# KiCad board beagle.kicad_pcb
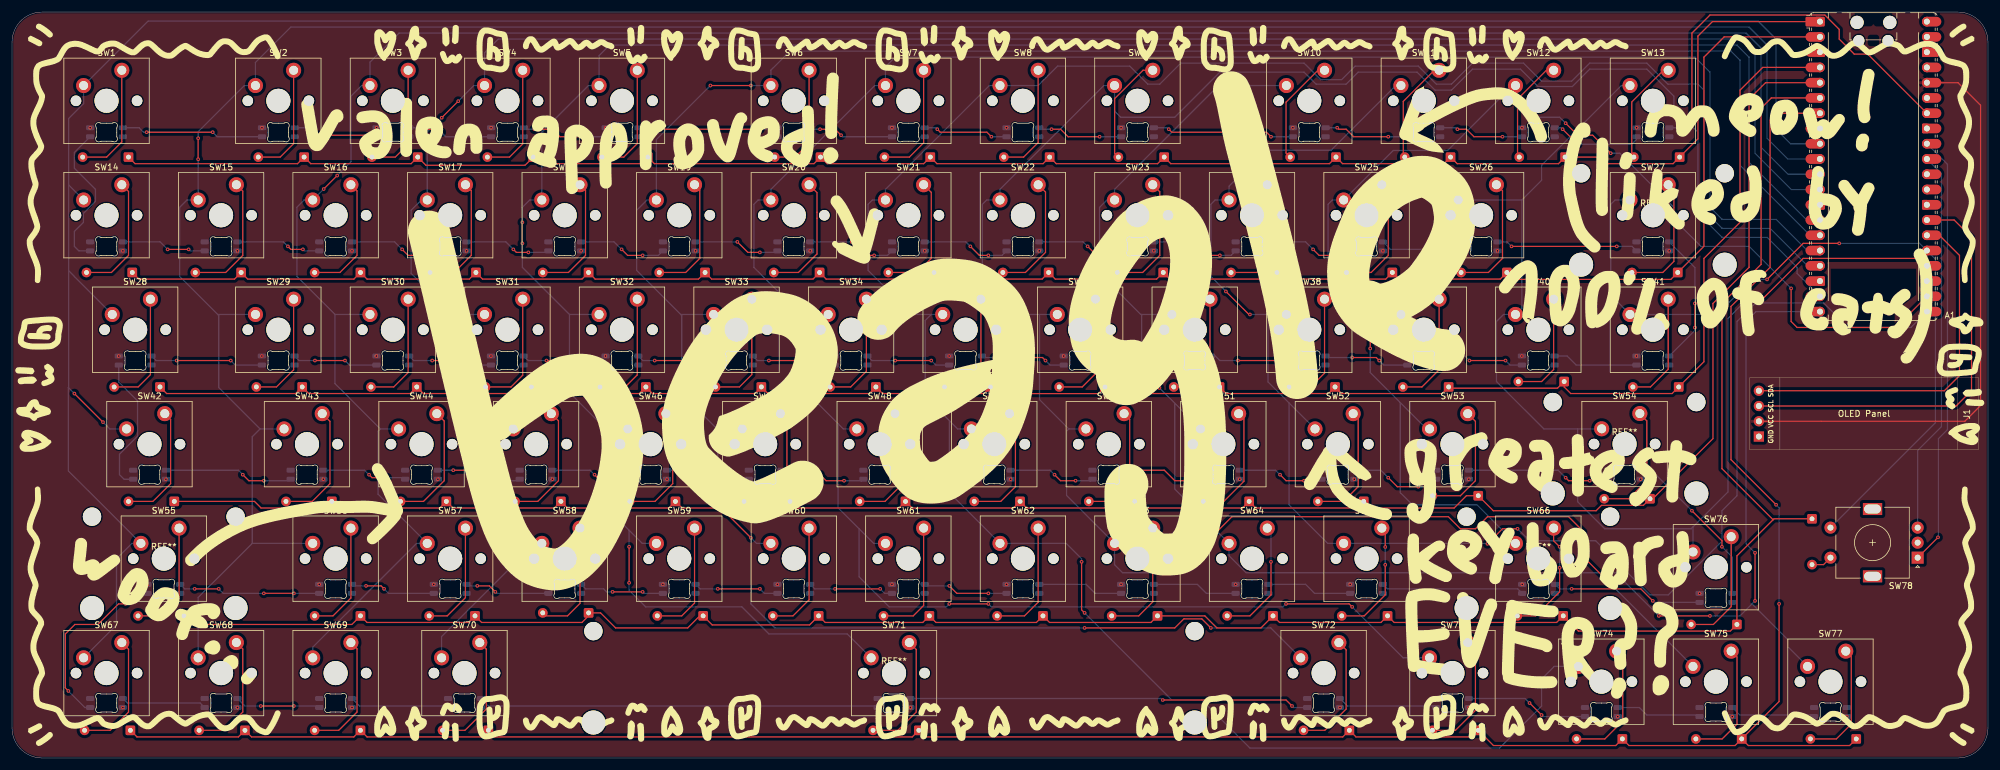
[diagram p0: board, top side]
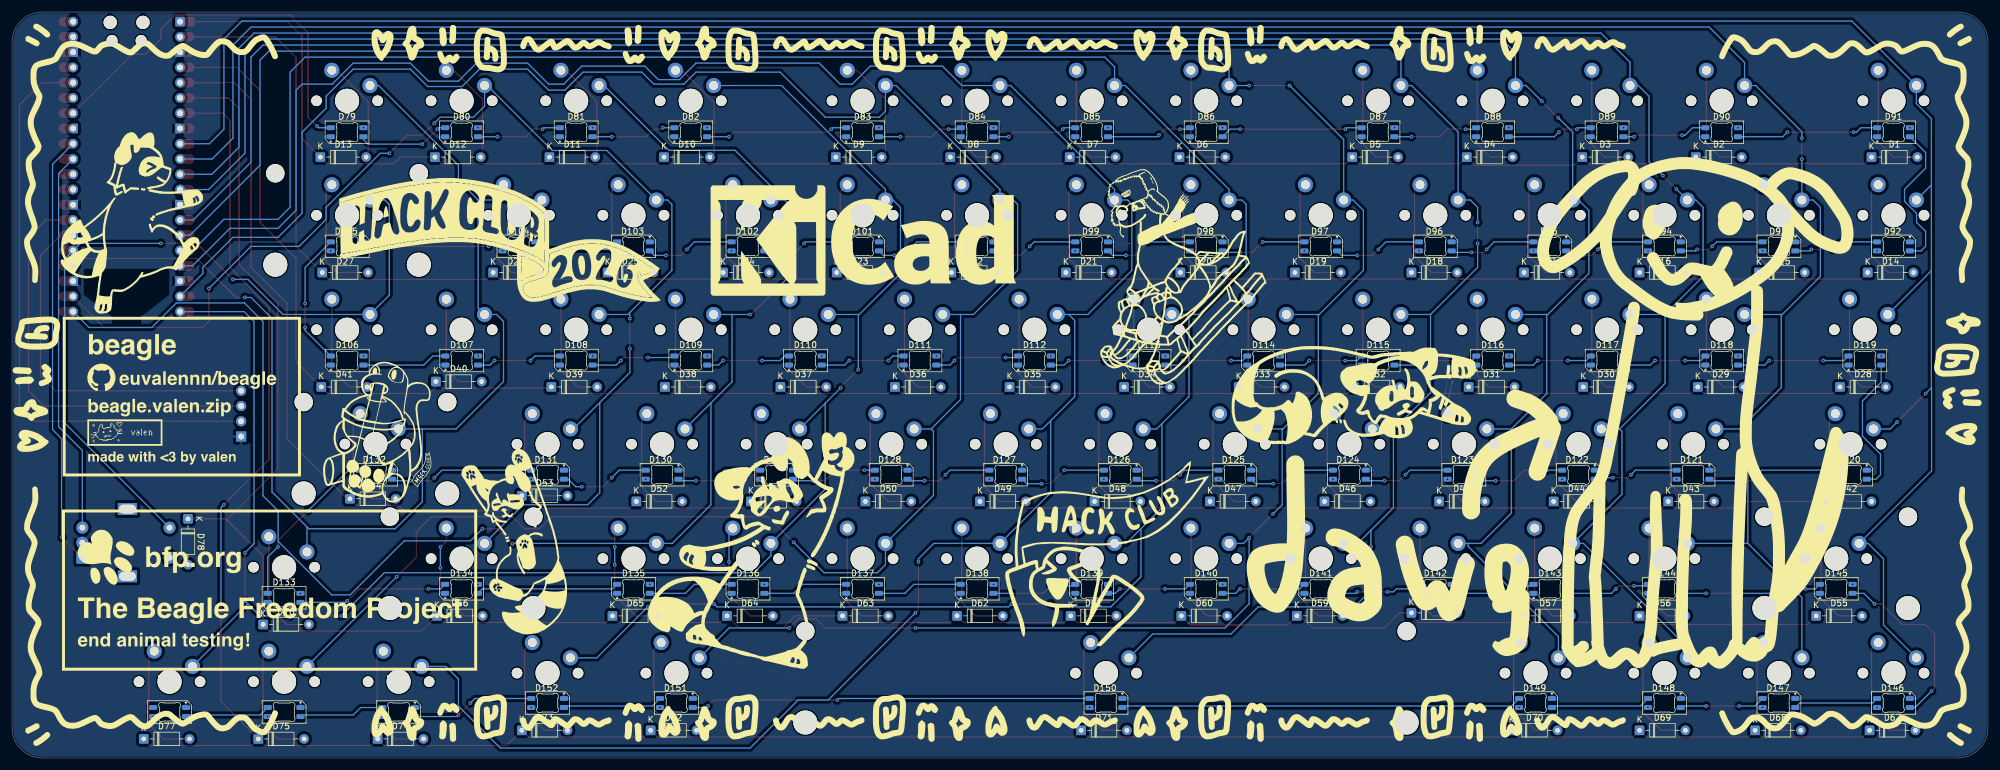
[diagram p1: board, bottom side, seen from below]

Outline 328.61 x 124.15 mm; copper layers: Top, Bottom. Coordinates in mm from the lower left corner of the outline.
Outline path: 0,119.15 arc(1.46,122.69) 5,124.15 323.61,124.15 arc(327.15,122.69) 328.61,119.15 328.61,5 arc(327.15,1.46) 323.61,0 5,0 arc(1.46,1.46) 0,5 0,119.15
Stack: Top 0.035mm / dielectric 1.51mm FR4 er 4.5 / Bottom 0.035mm

## Placement (name value [footprint] x y rotation side)
A1  RaspberryPi_Pico  [RaspberryPi_Pico_Common_Unspecified]  309.56 98.43 0 top
D1  Diode  [D_DO-35_SOD27_P7.62mm_Horizontal]  19.37 100.01 180 bottom
D2  Diode  [D_DO-35_SOD27_P7.62mm_Horizontal]  48.58 100.01 180 bottom
D3  Diode  [D_DO-35_SOD27_P7.62mm_Horizontal]  67.47 100.01 180 bottom
D4  Diode  [D_DO-35_SOD27_P7.62mm_Horizontal]  86.68 100.01 180 bottom
D5  Diode  [D_DO-35_SOD27_P7.62mm_Horizontal]  105.73 100.01 180 bottom
D6  Diode  [D_DO-35_SOD27_P7.62mm_Horizontal]  134.46 100.01 180 bottom
D7  Diode  [D_DO-35_SOD27_P7.62mm_Horizontal]  152.72 100.01 180 bottom
D8  Diode  [D_DO-35_SOD27_P7.62mm_Horizontal]  172.56 100.01 180 bottom
D9  Diode  [D_DO-35_SOD27_P7.62mm_Horizontal]  191.61 100.01 180 bottom
D10  Diode  [D_DO-35_SOD27_P7.62mm_Horizontal]  220.19 100.01 180 bottom
D11  Diode  [D_DO-35_SOD27_P7.62mm_Horizontal]  239.24 100.01 180 bottom
D12  Diode  [D_DO-35_SOD27_P7.62mm_Horizontal]  258.29 100.01 180 bottom
D13  Diode  [D_DO-35_SOD27_P7.62mm_Horizontal]  277.34 100.01 180 bottom
D14  Diode  [D_DO-35_SOD27_P7.62mm_Horizontal]  20 80.8 180 bottom
D15  Diode  [D_DO-35_SOD27_P7.62mm_Horizontal]  38.1 80.8 180 bottom
D16  Diode  [D_DO-35_SOD27_P7.62mm_Horizontal]  57.94 80.8 180 bottom
D17  Diode  [D_DO-35_SOD27_P7.62mm_Horizontal]  77.15 80.8 180 bottom
D18  Diode  [D_DO-35_SOD27_P7.62mm_Horizontal]  95.88 80.8 180 bottom
D19  Diode  [D_DO-35_SOD27_P7.62mm_Horizontal]  115.25 80.8 180 bottom
D20  Diode  [D_DO-35_SOD27_P7.62mm_Horizontal]  134.3 80.8 180 bottom
D21  Diode  [D_DO-35_SOD27_P7.62mm_Horizontal]  153.35 80.8 180 bottom
D22  Diode  [D_DO-35_SOD27_P7.62mm_Horizontal]  172.4 80.8 180 bottom
D23  Diode  [D_DO-35_SOD27_P7.62mm_Horizontal]  191.45 80.8 180 bottom
D24  Diode  [D_DO-35_SOD27_P7.62mm_Horizontal]  210.34 80.8 180 bottom
D25  Diode  [D_DO-35_SOD27_P7.62mm_Horizontal]  229.55 80.8 180 bottom
D26  Diode  [D_DO-35_SOD27_P7.62mm_Horizontal]  248.6 80.8 180 bottom
D27  Diode  [D_DO-35_SOD27_P7.62mm_Horizontal]  277.02 80.8 180 bottom
D28  Diode  [D_DO-35_SOD27_P7.62mm_Horizontal]  24.61 61.75 180 bottom
D29  Diode  [D_DO-35_SOD27_P7.62mm_Horizontal]  48.26 61.75 180 bottom
D30  Diode  [D_DO-35_SOD27_P7.62mm_Horizontal]  67.31 61.75 180 bottom
D31  Diode  [D_DO-35_SOD27_P7.62mm_Horizontal]  86.36 61.75 180 bottom
D32  Diode  [D_DO-35_SOD27_P7.62mm_Horizontal]  105.41 61.75 180 bottom
D33  Diode  [D_DO-35_SOD27_P7.62mm_Horizontal]  124.62 61.75 180 bottom
D34  Diode  [D_DO-35_SOD27_P7.62mm_Horizontal]  143.67 61.75 180 bottom
D35  Diode  [D_DO-35_SOD27_P7.62mm_Horizontal]  162.72 61.75 180 bottom
D36  Diode  [D_DO-35_SOD27_P7.62mm_Horizontal]  181.77 61.75 180 bottom
D37  Diode  [D_DO-35_SOD27_P7.62mm_Horizontal]  200.82 61.75 180 bottom
D38  Diode  [D_DO-35_SOD27_P7.62mm_Horizontal]  220.03 61.75 180 bottom
D39  Diode  [D_DO-35_SOD27_P7.62mm_Horizontal]  238.92 61.75 180 bottom
D40  Diode  [D_DO-35_SOD27_P7.62mm_Horizontal]  258.13 62.65 180 bottom
D41  Diode  [D_DO-35_SOD27_P7.62mm_Horizontal]  277.18 61.75 180 bottom
D42  Diode  [D_DO-35_SOD27_P7.62mm_Horizontal]  26.99 42.7 180 bottom
D43  Diode  [D_DO-35_SOD27_P7.62mm_Horizontal]  53.18 42.7 180 bottom
D44  Diode  [D_DO-35_SOD27_P7.62mm_Horizontal]  72.23 42.7 180 bottom
D45  Diode  [D_DO-35_SOD27_P7.62mm_Horizontal]  91.28 42.7 180 bottom
D46  Diode  [D_DO-35_SOD27_P7.62mm_Horizontal]  110.33 42.7 180 bottom
D47  Diode  [D_DO-35_SOD27_P7.62mm_Horizontal]  129.38 42.7 180 bottom
D48  Diode  [D_DO-35_SOD27_P7.62mm_Horizontal]  148.59 42.7 180 bottom
D49  Diode  [D_DO-35_SOD27_P7.62mm_Horizontal]  167.64 42.7 180 bottom
D50  Diode  [D_DO-35_SOD27_P7.62mm_Horizontal]  186.69 42.7 180 bottom
D51  Diode  [D_DO-35_SOD27_P7.62mm_Horizontal]  205.74 42.7 180 bottom
D52  Diode  [D_DO-35_SOD27_P7.62mm_Horizontal]  224.79 42.7 180 bottom
D53  Diode  [D_DO-35_SOD27_P7.62mm_Horizontal]  243.84 43.65 180 bottom
D54  Diode  [D_DO-35_SOD27_P7.62mm_Horizontal]  272.42 43.15 180 bottom
D55  Diode  [D_DO-35_SOD27_P7.62mm_Horizontal]  28.58 23.65 180 bottom
D56  Diode  [D_DO-35_SOD27_P7.62mm_Horizontal]  57.94 23.65 180 bottom
D57  Diode  [D_DO-35_SOD27_P7.62mm_Horizontal]  76.99 23.65 180 bottom
D58  Diode  [D_DO-35_SOD27_P7.62mm_Horizontal]  95.88 24.15 180 bottom
D59  Diode  [D_DO-35_SOD27_P7.62mm_Horizontal]  114.94 23.65 180 bottom
D60  Diode  [D_DO-35_SOD27_P7.62mm_Horizontal]  134.14 23.65 180 bottom
D61  Diode  [D_DO-35_SOD27_P7.62mm_Horizontal]  152.56 23.65 180 bottom
D62  Diode  [D_DO-35_SOD27_P7.62mm_Horizontal]  171.45 23.65 180 bottom
D63  Diode  [D_DO-35_SOD27_P7.62mm_Horizontal]  190.5 23.65 180 bottom
D64  Diode  [D_DO-35_SOD27_P7.62mm_Horizontal]  209.71 23.65 180 bottom
D65  Diode  [D_DO-35_SOD27_P7.62mm_Horizontal]  228.76 23.65 180 bottom
D66  Diode  [D_DO-35_SOD27_P7.62mm_Horizontal]  257.97 23.65 180 bottom
D67  Diode  [D_DO-35_SOD27_P7.62mm_Horizontal]  19.69 4.6 180 bottom
D68  Diode  [D_DO-35_SOD27_P7.62mm_Horizontal]  38.73 4.6 180 bottom
D69  Diode  [D_DO-35_SOD27_P7.62mm_Horizontal]  57.94 4.6 180 bottom
D70  Diode  [D_DO-35_SOD27_P7.62mm_Horizontal]  79.22 4.6 180 bottom
D71  Diode  [D_DO-35_SOD27_P7.62mm_Horizontal]  150.81 4.6 180 bottom
D72  Diode  [D_DO-35_SOD27_P7.62mm_Horizontal]  222.41 4.6 180 bottom
D73  Diode  [D_DO-35_SOD27_P7.62mm_Horizontal]  243.84 4.6 180 bottom
D74  Diode  [D_DO-35_SOD27_P7.62mm_Horizontal]  267.81 3.18 180 bottom
D75  Diode  [D_DO-35_SOD27_P7.62mm_Horizontal]  287.65 3.18 180 bottom
D76  Diode  [D_DO-35_SOD27_P7.62mm_Horizontal]  286.86 22.22 180 bottom
D77  Diode  [D_DO-35_SOD27_P7.62mm_Horizontal]  306.7 3.18 180 bottom
D78  Diode  [D_DO-35_SOD27_P7.62mm_Horizontal]  299.35 39.81 270 bottom
D79  NEOPIXEL  [LED_SK6812MINI-E_3.2x2.8mm_P1.5mm_ReverseMount]  272.89 104.15 180 bottom
D80  NEOPIXEL  [LED_SK6812MINI-E_3.2x2.8mm_P1.5mm_ReverseMount]  253.84 104.15 180 bottom
D81  NEOPIXEL  [LED_SK6812MINI-E_3.2x2.8mm_P1.5mm_ReverseMount]  234.79 104.15 180 bottom
D82  NEOPIXEL  [LED_SK6812MINI-E_3.2x2.8mm_P1.5mm_ReverseMount]  215.74 104.15 180 bottom
D83  NEOPIXEL  [LED_SK6812MINI-E_3.2x2.8mm_P1.5mm_ReverseMount]  187.16 104.15 180 bottom
D84  NEOPIXEL  [LED_SK6812MINI-E_3.2x2.8mm_P1.5mm_ReverseMount]  168.12 104.15 180 bottom
D85  NEOPIXEL  [LED_SK6812MINI-E_3.2x2.8mm_P1.5mm_ReverseMount]  149.06 104.15 180 bottom
D86  NEOPIXEL  [LED_SK6812MINI-E_3.2x2.8mm_P1.5mm_ReverseMount]  130.01 104.15 180 bottom
D87  NEOPIXEL  [LED_SK6812MINI-E_3.2x2.8mm_P1.5mm_ReverseMount]  101.44 104.15 180 bottom
D88  NEOPIXEL  [LED_SK6812MINI-E_3.2x2.8mm_P1.5mm_ReverseMount]  82.4 104.15 180 bottom
D89  NEOPIXEL  [LED_SK6812MINI-E_3.2x2.8mm_P1.5mm_ReverseMount]  63.34 104.15 180 bottom
D90  NEOPIXEL  [LED_SK6812MINI-E_3.2x2.8mm_P1.5mm_ReverseMount]  44.3 104.15 180 bottom
D91  NEOPIXEL  [LED_SK6812MINI-E_3.2x2.8mm_P1.5mm_ReverseMount]  15.72 104.15 180 bottom
D92  NEOPIXEL  [LED_SK6812MINI-E_3.2x2.8mm_P1.5mm_ReverseMount]  15.72 85.15 0 bottom
D93  NEOPIXEL  [LED_SK6812MINI-E_3.2x2.8mm_P1.5mm_ReverseMount]  34.77 85.15 0 bottom
D94  NEOPIXEL  [LED_SK6812MINI-E_3.2x2.8mm_P1.5mm_ReverseMount]  53.82 85.15 0 bottom
D95  NEOPIXEL  [LED_SK6812MINI-E_3.2x2.8mm_P1.5mm_ReverseMount]  72.87 85.15 0 bottom
D96  NEOPIXEL  [LED_SK6812MINI-E_3.2x2.8mm_P1.5mm_ReverseMount]  91.92 85.15 0 bottom
D97  NEOPIXEL  [LED_SK6812MINI-E_3.2x2.8mm_P1.5mm_ReverseMount]  110.97 85.15 0 bottom
D98  NEOPIXEL  [LED_SK6812MINI-E_3.2x2.8mm_P1.5mm_ReverseMount]  130.02 85.15 0 bottom
D99  NEOPIXEL  [LED_SK6812MINI-E_3.2x2.8mm_P1.5mm_ReverseMount]  149.07 85.15 0 bottom
D100  NEOPIXEL  [LED_SK6812MINI-E_3.2x2.8mm_P1.5mm_ReverseMount]  168.12 85.15 0 bottom
D101  NEOPIXEL  [LED_SK6812MINI-E_3.2x2.8mm_P1.5mm_ReverseMount]  187.17 85.15 0 bottom
D102  NEOPIXEL  [LED_SK6812MINI-E_3.2x2.8mm_P1.5mm_ReverseMount]  206.22 85.15 0 bottom
D103  NEOPIXEL  [LED_SK6812MINI-E_3.2x2.8mm_P1.5mm_ReverseMount]  225.27 85.15 0 bottom
D104  NEOPIXEL  [LED_SK6812MINI-E_3.2x2.8mm_P1.5mm_ReverseMount]  244.32 85.15 0 bottom
D105  NEOPIXEL  [LED_SK6812MINI-E_3.2x2.8mm_P1.5mm_ReverseMount]  272.88 85.15 0 bottom
D106  NEOPIXEL  [LED_SK6812MINI-E_3.2x2.8mm_P1.5mm_ReverseMount]  272.88 66.15 180 bottom
D107  NEOPIXEL  [LED_SK6812MINI-E_3.2x2.8mm_P1.5mm_ReverseMount]  253.82 66.15 180 bottom
D108  NEOPIXEL  [LED_SK6812MINI-E_3.2x2.8mm_P1.5mm_ReverseMount]  234.77 66.15 180 bottom
D109  NEOPIXEL  [LED_SK6812MINI-E_3.2x2.8mm_P1.5mm_ReverseMount]  215.73 66.15 180 bottom
D110  NEOPIXEL  [LED_SK6812MINI-E_3.2x2.8mm_P1.5mm_ReverseMount]  196.68 66.15 180 bottom
D111  NEOPIXEL  [LED_SK6812MINI-E_3.2x2.8mm_P1.5mm_ReverseMount]  177.62 66.15 180 bottom
D112  NEOPIXEL  [LED_SK6812MINI-E_3.2x2.8mm_P1.5mm_ReverseMount]  158.57 66.15 180 bottom
D113  NEOPIXEL  [LED_SK6812MINI-E_3.2x2.8mm_P1.5mm_ReverseMount]  139.53 66.15 180 bottom
D114  NEOPIXEL  [LED_SK6812MINI-E_3.2x2.8mm_P1.5mm_ReverseMount]  120.47 66.15 180 bottom
D115  NEOPIXEL  [LED_SK6812MINI-E_3.2x2.8mm_P1.5mm_ReverseMount]  101.43 66.15 180 bottom
D116  NEOPIXEL  [LED_SK6812MINI-E_3.2x2.8mm_P1.5mm_ReverseMount]  82.38 66.15 180 bottom
D117  NEOPIXEL  [LED_SK6812MINI-E_3.2x2.8mm_P1.5mm_ReverseMount]  63.33 66.15 180 bottom
D118  NEOPIXEL  [LED_SK6812MINI-E_3.2x2.8mm_P1.5mm_ReverseMount]  44.28 66.15 180 bottom
D119  NEOPIXEL  [LED_SK6812MINI-E_3.2x2.8mm_P1.5mm_ReverseMount]  20.48 66.15 180 bottom
D120  NEOPIXEL  [LED_SK6812MINI-E_3.2x2.8mm_P1.5mm_ReverseMount]  22.88 47.15 0 bottom
D121  NEOPIXEL  [LED_SK6812MINI-E_3.2x2.8mm_P1.5mm_ReverseMount]  49.06 47.15 0 bottom
D122  NEOPIXEL  [LED_SK6812MINI-E_3.2x2.8mm_P1.5mm_ReverseMount]  68.11 47.15 0 bottom
D123  NEOPIXEL  [LED_SK6812MINI-E_3.2x2.8mm_P1.5mm_ReverseMount]  87.16 47.15 0 bottom
D124  NEOPIXEL  [LED_SK6812MINI-E_3.2x2.8mm_P1.5mm_ReverseMount]  106.21 47.15 0 bottom
D125  NEOPIXEL  [LED_SK6812MINI-E_3.2x2.8mm_P1.5mm_ReverseMount]  125.25 47.15 0 bottom
D126  NEOPIXEL  [LED_SK6812MINI-E_3.2x2.8mm_P1.5mm_ReverseMount]  144.31 47.15 0 bottom
D127  NEOPIXEL  [LED_SK6812MINI-E_3.2x2.8mm_P1.5mm_ReverseMount]  163.35 47.15 0 bottom
D128  NEOPIXEL  [LED_SK6812MINI-E_3.2x2.8mm_P1.5mm_ReverseMount]  182.41 47.15 0 bottom
D129  NEOPIXEL  [LED_SK6812MINI-E_3.2x2.8mm_P1.5mm_ReverseMount]  201.46 47.15 0 bottom
D130  NEOPIXEL  [LED_SK6812MINI-E_3.2x2.8mm_P1.5mm_ReverseMount]  220.5 47.15 0 bottom
D131  NEOPIXEL  [LED_SK6812MINI-E_3.2x2.8mm_P1.5mm_ReverseMount]  239.56 47.15 0 bottom
D132  NEOPIXEL  [LED_SK6812MINI-E_3.2x2.8mm_P1.5mm_ReverseMount]  268.13 47.15 0 bottom
D133  NEOPIXEL  [LED_SK6812MINI-E_3.2x2.8mm_P1.5mm_ReverseMount]  283.38 26.65 180 bottom
D134  NEOPIXEL  [LED_SK6812MINI-E_3.2x2.8mm_P1.5mm_ReverseMount]  253.88 28.15 180 bottom
D135  NEOPIXEL  [LED_SK6812MINI-E_3.2x2.8mm_P1.5mm_ReverseMount]  225.26 28.15 180 bottom
D136  NEOPIXEL  [LED_SK6812MINI-E_3.2x2.8mm_P1.5mm_ReverseMount]  206.22 28.15 180 bottom
D137  NEOPIXEL  [LED_SK6812MINI-E_3.2x2.8mm_P1.5mm_ReverseMount]  187.16 28.15 180 bottom
D138  NEOPIXEL  [LED_SK6812MINI-E_3.2x2.8mm_P1.5mm_ReverseMount]  168.12 28.15 180 bottom
D139  NEOPIXEL  [LED_SK6812MINI-E_3.2x2.8mm_P1.5mm_ReverseMount]  149.06 28.15 180 bottom
D140  NEOPIXEL  [LED_SK6812MINI-E_3.2x2.8mm_P1.5mm_ReverseMount]  130.01 28.15 180 bottom
D141  NEOPIXEL  [LED_SK6812MINI-E_3.2x2.8mm_P1.5mm_ReverseMount]  110.97 28.15 180 bottom
D142  NEOPIXEL  [LED_SK6812MINI-E_3.2x2.8mm_P1.5mm_ReverseMount]  91.91 28.15 180 bottom
D143  NEOPIXEL  [LED_SK6812MINI-E_3.2x2.8mm_P1.5mm_ReverseMount]  72.86 28.15 180 bottom
D144  NEOPIXEL  [LED_SK6812MINI-E_3.2x2.8mm_P1.5mm_ReverseMount]  53.81 28.15 180 bottom
D145  NEOPIXEL  [LED_SK6812MINI-E_3.2x2.8mm_P1.5mm_ReverseMount]  25.24 28.15 180 bottom
D146  NEOPIXEL  [LED_SK6812MINI-E_3.2x2.8mm_P1.5mm_ReverseMount]  15.72 9.15 0 bottom
D147  NEOPIXEL  [LED_SK6812MINI-E_3.2x2.8mm_P1.5mm_ReverseMount]  34.77 9.15 0 bottom
D148  NEOPIXEL  [LED_SK6812MINI-E_3.2x2.8mm_P1.5mm_ReverseMount]  53.82 9.15 0 bottom
D149  NEOPIXEL  [LED_SK6812MINI-E_3.2x2.8mm_P1.5mm_ReverseMount]  75.25 9.15 0 bottom
D150  NEOPIXEL  [LED_SK6812MINI-E_3.2x2.8mm_P1.5mm_ReverseMount]  146.69 9.15 0 bottom
D151  NEOPIXEL  [LED_SK6812MINI-E_3.2x2.8mm_P1.5mm_ReverseMount]  218.12 9.15 0 bottom
D152  NEOPIXEL  [LED_SK6812MINI-E_3.2x2.8mm_P1.5mm_ReverseMount]  239.55 9.15 0 bottom
D153  NEOPIXEL  [LED_SK6812MINI-E_3.2x2.8mm_P1.5mm_ReverseMount]  264.31 7.65 0 bottom
D154  NEOPIXEL  [LED_SK6812MINI-E_3.2x2.8mm_P1.5mm_ReverseMount]  283.37 7.65 0 bottom
D155  NEOPIXEL  [LED_SK6812MINI-E_3.2x2.8mm_P1.5mm_ReverseMount]  302.42 7.65 0 bottom
G***  -  [LOGO]  165.69 64.18 0 top
G***#2  -  [LOGO]  164.53 61.58 0 top
G***#3  -  [LOGO]  300.38 60.15 180 bottom
G***#4  -  [LOGO]  164.53 61.58 180 bottom
G***#5  -  [LOGO]  202.88 59.15 180 bottom
G***#6  -  [LOGO]  285.78 27.94 180 bottom
G***#7  -  [LOGO]  73.88 57.15 180 bottom
J1  OLED  [SSD1306-0.91-OLED]  327.01 51.31 180 top
REF**  -  [Stabilizer_Cherry_MX_2.00u]  268.18 52.25 0 top
REF**#2  -  [Stabilizer_Cherry_MX_2.00u]  272.89 90.33 0 top
REF**#3  -  [Stabilizer_Cherry_MX_6.25u]  146.69 14.13 0 top
REF**#4  -  [Stabilizer_Cherry_MX_2.00u]  25.24 33.18 0 top
REF**#5  -  [Stabilizer_Cherry_MX_2.00u]  253.84 33.18 0 top
SW1  Switch  [SW_Cherry_MX_PCB_1.00u]  15.72 109.38 0 top
SW2  Switch  [SW_Cherry_MX_PCB_1.00u]  44.29 109.38 0 top
SW3  Switch  [SW_Cherry_MX_PCB_1.00u]  63.34 109.38 0 top
SW4  Switch  [SW_Cherry_MX_PCB_1.00u]  82.39 109.38 0 top
SW5  Switch  [SW_Cherry_MX_PCB_1.00u]  101.44 109.38 0 top
SW6  Switch  [SW_Cherry_MX_PCB_1.00u]  130.02 109.38 0 top
SW7  Switch  [SW_Cherry_MX_PCB_1.00u]  149.07 109.38 0 top
SW8  Switch  [SW_Cherry_MX_PCB_1.00u]  168.12 109.38 0 top
SW9  Switch  [SW_Cherry_MX_PCB_1.00u]  187.17 109.38 0 top
SW10  Switch  [SW_Cherry_MX_PCB_1.00u]  215.74 109.38 0 top
SW11  Switch  [SW_Cherry_MX_PCB_1.00u]  234.79 109.38 0 top
SW12  Switch  [SW_Cherry_MX_PCB_1.00u]  253.84 109.38 0 top
SW13  Switch  [SW_Cherry_MX_PCB_1.00u]  272.89 109.38 0 top
SW14  Switch  [SW_Cherry_MX_PCB_1.00u]  15.72 90.33 0 top
SW15  Switch  [SW_Cherry_MX_PCB_1.00u]  34.77 90.33 0 top
SW16  Switch  [SW_Cherry_MX_PCB_1.00u]  53.82 90.33 0 top
SW17  Switch  [SW_Cherry_MX_PCB_1.00u]  72.87 90.33 0 top
SW18  Switch  [SW_Cherry_MX_PCB_1.00u]  91.92 90.33 0 top
SW19  Switch  [SW_Cherry_MX_PCB_1.00u]  110.97 90.33 0 top
SW20  Switch  [SW_Cherry_MX_PCB_1.00u]  130.02 90.33 0 top
SW21  Switch  [SW_Cherry_MX_PCB_1.00u]  149.07 90.33 0 top
SW22  Switch  [SW_Cherry_MX_PCB_1.00u]  168.12 90.33 0 top
SW23  Switch  [SW_Cherry_MX_PCB_1.00u]  187.17 90.33 0 top
SW24  Switch  [SW_Cherry_MX_PCB_1.00u]  206.22 90.33 0 top
SW25  Switch  [SW_Cherry_MX_PCB_1.00u]  225.27 90.33 0 top
SW26  Switch  [SW_Cherry_MX_PCB_1.00u]  244.32 90.33 0 top
SW27  Switch  [SW_Cherry_MX_PCB_2.00u]  272.89 90.33 0 top
SW28  Switch  [SW_Cherry_MX_PCB_1.50u]  20.48 71.28 0 top
SW29  Switch  [SW_Cherry_MX_PCB_1.00u]  44.29 71.28 0 top
SW30  Switch  [SW_Cherry_MX_PCB_1.00u]  63.34 71.28 0 top
SW31  Switch  [SW_Cherry_MX_PCB_1.00u]  82.39 71.28 0 top
SW32  Switch  [SW_Cherry_MX_PCB_1.00u]  101.44 71.28 0 top
SW33  Switch  [SW_Cherry_MX_PCB_1.00u]  120.49 71.28 0 top
SW34  Switch  [SW_Cherry_MX_PCB_1.00u]  139.54 71.28 0 top
SW35  Switch  [SW_Cherry_MX_PCB_1.00u]  158.59 71.28 0 top
SW36  Switch  [SW_Cherry_MX_PCB_1.00u]  177.64 71.28 0 top
SW37  Switch  [SW_Cherry_MX_PCB_1.00u]  196.69 71.28 0 top
SW38  Switch  [SW_Cherry_MX_PCB_1.00u]  215.74 71.28 0 top
SW39  Switch  [SW_Cherry_MX_PCB_1.00u]  234.79 71.28 0 top
SW40  Switch  [SW_Cherry_MX_PCB_1.00u]  253.84 71.28 0 top
SW41  Switch  [SW_Cherry_MX_PCB_1.00u]  272.89 71.28 0 top
SW42  Switch  [SW_Cherry_MX_PCB_1.75u]  22.86 52.23 0 top
SW43  Switch  [SW_Cherry_MX_PCB_1.00u]  49.05 52.23 0 top
SW44  Switch  [SW_Cherry_MX_PCB_1.00u]  68.1 52.23 0 top
SW45  Switch  [SW_Cherry_MX_PCB_1.00u]  87.15 52.23 0 top
SW46  Switch  [SW_Cherry_MX_PCB_1.00u]  106.2 52.23 0 top
SW47  Switch  [SW_Cherry_MX_PCB_1.00u]  125.25 52.23 0 top
SW48  Switch  [SW_Cherry_MX_PCB_1.00u]  144.3 52.23 0 top
SW49  Switch  [SW_Cherry_MX_PCB_1.00u]  163.35 52.23 0 top
SW50  Switch  [SW_Cherry_MX_PCB_1.00u]  182.4 52.23 0 top
SW51  Switch  [SW_Cherry_MX_PCB_1.00u]  201.45 52.23 0 top
SW52  Switch  [SW_Cherry_MX_PCB_1.00u]  220.5 52.23 0 top
SW53  Switch  [SW_Cherry_MX_PCB_1.00u]  239.55 52.23 0 top
SW54  Switch  [SW_Cherry_MX_PCB_2.00u]  268.18 52.25 0 top
SW55  Switch  [SW_Cherry_MX_PCB_2.00u]  25.24 33.18 0 top
SW56  Switch  [SW_Cherry_MX_PCB_1.00u]  53.82 33.18 0 top
SW57  Switch  [SW_Cherry_MX_PCB_1.00u]  72.87 33.18 0 top
SW58  Switch  [SW_Cherry_MX_PCB_1.00u]  91.92 33.18 0 top
SW59  Switch  [SW_Cherry_MX_PCB_1.00u]  110.97 33.18 0 top
SW60  Switch  [SW_Cherry_MX_PCB_1.00u]  130.02 33.18 0 top
SW61  Switch  [SW_Cherry_MX_PCB_1.00u]  149.07 33.18 0 top
SW62  Switch  [SW_Cherry_MX_PCB_1.00u]  168.12 33.18 0 top
SW63  Switch  [SW_Cherry_MX_PCB_1.00u]  187.17 33.18 0 top
SW64  Switch  [SW_Cherry_MX_PCB_1.00u]  206.22 33.18 0 top
SW65  Switch  [SW_Cherry_MX_PCB_1.00u]  225.27 33.18 0 top
SW66  Switch  [SW_Cherry_MX_PCB_2.00u]  253.84 33.18 0 top
SW67  Switch  [SW_Cherry_MX_PCB_1.00u]  15.72 14.13 0 top
SW68  Switch  [SW_Cherry_MX_PCB_1.00u]  34.77 14.13 0 top
SW69  Switch  [SW_Cherry_MX_PCB_1.00u]  53.82 14.13 0 top
SW70  Switch  [SW_Cherry_MX_PCB_1.25u]  75.25 14.13 0 top
SW71  Switch  [SW_Cherry_MX_PCB_6.25u]  146.69 14.13 0 top
SW72  Switch  [SW_Cherry_MX_PCB_1.25u]  218.12 14.13 0 top
SW73  Switch  [SW_Cherry_MX_PCB_1.00u]  239.55 14.13 0 top
SW74  Switch  [SW_Cherry_MX_PCB_1.00u]  264.32 12.7 0 top
SW75  Switch  [SW_Cherry_MX_PCB_1.00u]  283.37 12.7 0 top
SW76  Switch  [SW_Cherry_MX_PCB_1.00u]  283.37 31.75 0 top
SW77  Switch  [SW_Cherry_MX_PCB_1.00u]  302.42 12.7 0 top
SW78  RotaryEncoder_Switch  [RotaryEncoder_Alps_EC11E-Switch_Vertical_H20mm]  316.92 33.34 180 top

## Library data of the parts
A1 = -: Datasheet: https://datasheets.raspberrypi.com/pico/pico-datasheet.pdf; Description: Versatile and inexpensive microcontroller module powered by RP2040 dual-core Arm Cortex-M0+ processor up to 133 MHz, 264kB SRAM, 2MB QSPI flash; also supports Raspberry Pi Pico 2; ki_fp_filters: RaspberryPi?Pico?Common* RaspberryPi?Pico?SMD*
D1-D78 = -: Datasheet: https://assets.nexperia.com/documents/data-sheet/1N4148_1N4448.pdf; Description: 100V 0.15A standard switching diode, DO-35; KiLib_Generator: diode/THT; Sim.Device: D; Sim.Pins: 1=K 2=A; ki_fp_filters: D*DO?35*
D79-D155 = -: Datasheet: https://www.lcsc.com/datasheet/C5149201.pdf; Description: RGB LED with integrated controller; ki_fp_filters: LED?SK6812MINI?E?3.2x2.8mm?P1.5mm*
J1 = -: Description: Generic connector, single row, 01x04, script generated; ki_fp_filters: Connector*:*_1x??_*
SW1-SW77 = -: Description: Push button switch, normally open, two pins, 45° tilted
SW78 = -: Description: Rotary encoder, dual channel, incremental quadrate outputs, with switch; ki_fp_filters: RotaryEncoder*Switch*

## Footprints (pads in the part's own frame, mm; a bottom-side part is the same pattern mirrored in y, then rotated)
D_DO-35_SOD27_P7.62mm_Horizontal
  rrect 1.6x1.6 hole 0.8: 1(0,0)
  round 1.6 hole 0.8: 2(7.62,0)
LED_SK6812MINI-E_3.2x2.8mm_P1.5mm_ReverseMount
  rrect 1.35x0.82 smd: 1(-2.725,-0.75) 2(-2.725,0.75) 3(2.725,0.75) 4(2.725,-0.75)
RaspberryPi_Pico_Common_Unspecified
  round 2.2 hole 2.2 unplated: (-2.725,24) (2.725,24)
  round 1.85 hole 1.85 unplated: (-2.425,20.97) (2.425,20.97)
  custom 3.2x1.6 smd: 1(-9.69,24.13) 3(-9.69,19.05) 8(-9.69,6.35) 13(-9.69,-6.35) 18(-9.69,-19.05) 23(9.69,-19.05) 28(9.69,-6.35) 33(9.69,6.35) 38(9.69,19.05)
  rrect 1.6x1.6 hole 1: 1(-8.89,24.13)
  rrect 3.2x1.6 smd: 2(-9.69,21.59) 4(-9.69,16.51) 5(-9.69,13.97) 6(-9.69,11.43) 7(-9.69,8.89) 9(-9.69,3.81) 10(-9.69,1.27) 11(-9.69,-1.27) 12(-9.69,-3.81) 14(-9.69,-8.89) 15(-9.69,-11.43) 16(-9.69,-13.97) 17(-9.69,-16.51) 19(-9.69,-21.59) 20(-9.69,-24.13) 21(9.69,-24.13) 22(9.69,-21.59) 24(9.69,-16.51) 25(9.69,-13.97) 26(9.69,-11.43) 27(9.69,-8.89) 29(9.69,-3.81) 30(9.69,-1.27) 31(9.69,1.27) 32(9.69,3.81) 34(9.69,8.89) 35(9.69,11.43) 36(9.69,13.97) 37(9.69,16.51) 39(9.69,21.59) 40(9.69,24.13)
  round 1.6 hole 1: 2(-8.89,21.59) 4(-8.89,16.51) 5(-8.89,13.97) 6(-8.89,11.43) 7(-8.89,8.89) 9(-8.89,3.81) 10(-8.89,1.27) 11(-8.89,-1.27) 12(-8.89,-3.81) 14(-8.89,-8.89) 15(-8.89,-11.43) 16(-8.89,-13.97) 17(-8.89,-16.51) 19(-8.89,-21.59) 20(-8.89,-24.13) 21(8.89,-24.13) 22(8.89,-21.59) 24(8.89,-16.51) 25(8.89,-13.97) 26(8.89,-11.43) 27(8.89,-8.89) 29(8.89,-3.81) 30(8.89,-1.27) 31(8.89,1.27) 32(8.89,3.81) 34(8.89,8.89) 35(8.89,11.43) 36(8.89,13.97) 37(8.89,16.51) 39(8.89,21.59) 40(8.89,24.13)
  custom 1.6x1.6 hole 1: 3(-8.89,19.05) 8(-8.89,6.35) 13(-8.89,-6.35) 18(-8.89,-19.05) 23(8.89,-19.05) 28(8.89,-6.35) 33(8.89,6.35) 38(8.89,19.05)
RotaryEncoder_Alps_EC11E-Switch_Vertical_H20mm
  rect 2x2 hole 1: A(0,0)
  round 2 hole 1: B(0,-5) C(0,-2.5) S1(14.5,-5) S2(14.5,0)
  rect 3.2x2 hole 2.8x1.5: MP(7.5,3.1) MP(7.5,-8.1)
SSD1306-0.91-OLED
  rect 1.7x1.7 hole 1: 1(36.5,-2.19)
  oval 1.7x1.7 hole 1: 2(36.5,-4.73) 3(36.5,-7.27) 4(36.5,-9.81)
Stabilizer_Cherry_MX_2.00u
  round 3.048 hole 3.048 unplated: (-11.938,6.985) (11.938,6.985)
  round 3.988 hole 3.988 unplated: (-11.938,-8.225) (11.938,-8.225)
Stabilizer_Cherry_MX_6.25u
  round 3.048 hole 3.048 unplated: (-50,6.985) (50,6.985)
  round 3.988 hole 3.988 unplated: (-50,-8.225) (50,-8.225)
SW_Cherry_MX_PCB_1.00u
  round 1.75 hole 1.75 unplated: (-5.08,0) (5.08,0)
  round 4 hole 4 unplated: (0,0)
  round 2.5 hole 1.5: 1(-3.81,2.54) 2(2.54,5.08)
SW_Cherry_MX_PCB_1.25u
  round 1.75 hole 1.75 unplated: (-5.08,0) (5.08,0)
  round 4 hole 4 unplated: (0,0)
  round 2.5 hole 1.5: 1(-3.81,2.54) 2(2.54,5.08)
SW_Cherry_MX_PCB_1.50u
  round 1.75 hole 1.75 unplated: (-5.08,0) (5.08,0)